# KiCad board mtt_final.kicad_pcb (continued)
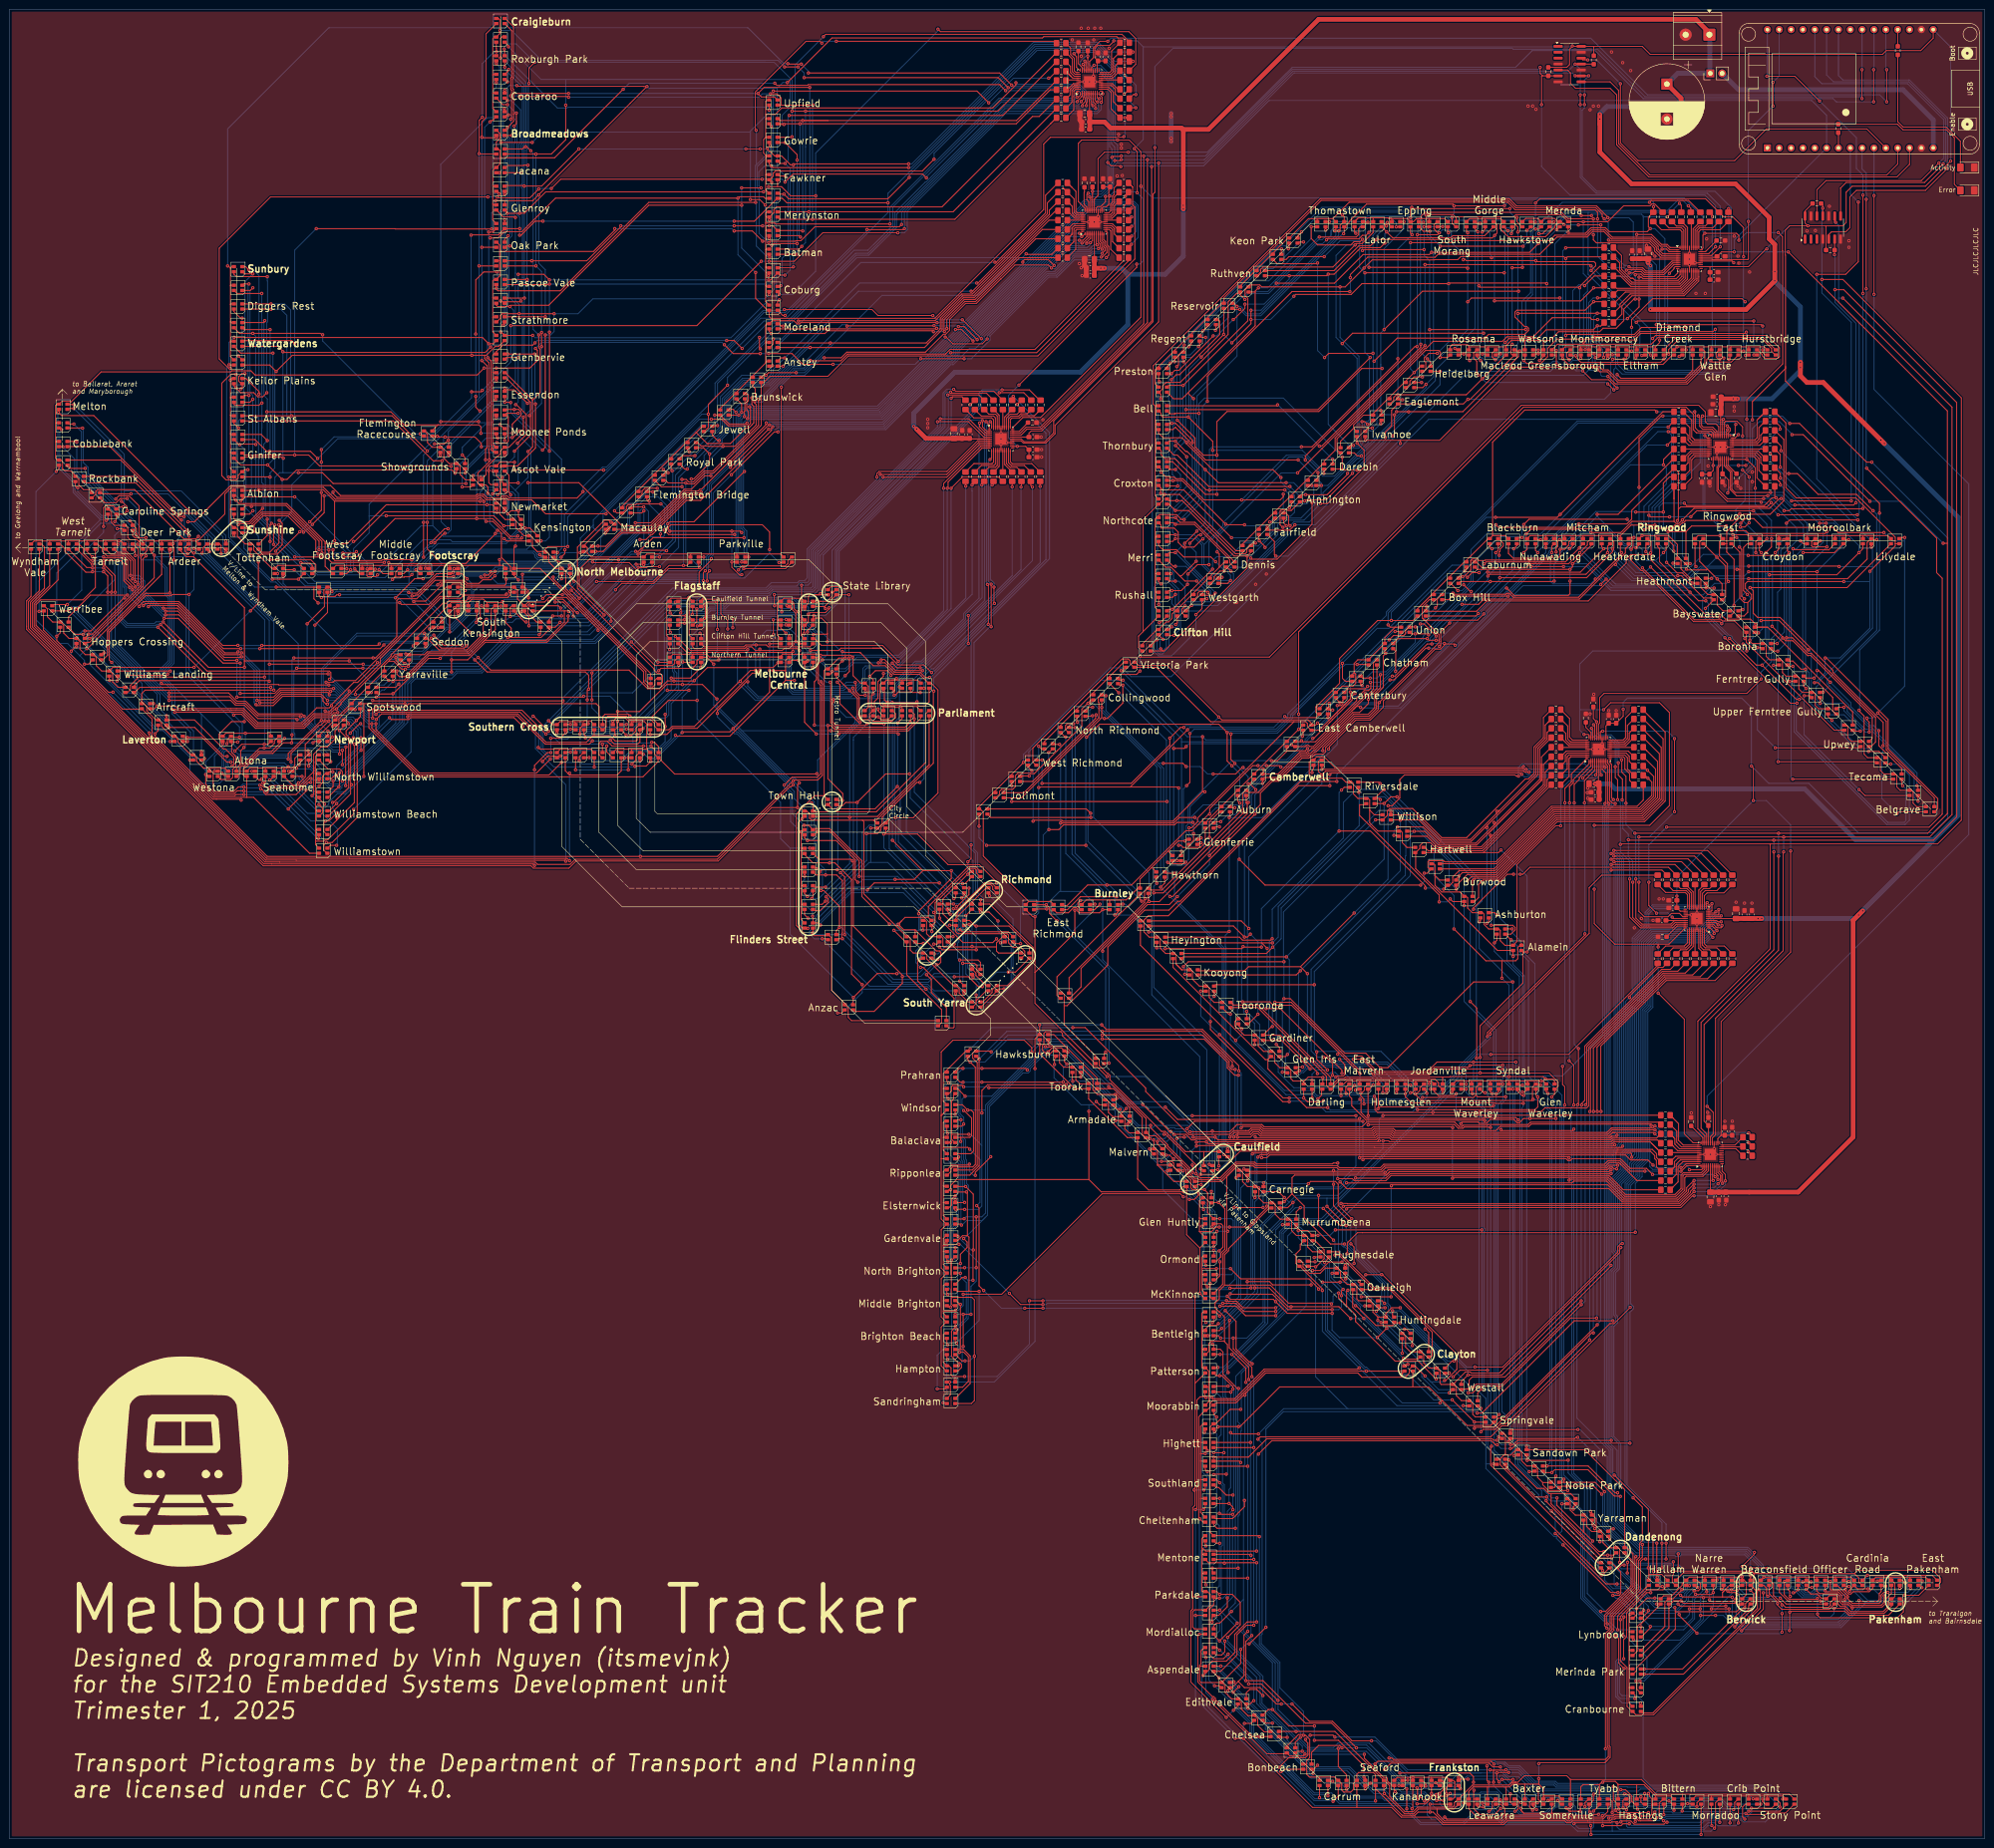
[diagram p0: board, top side]
## Routing (per net, layer and track width the routed paths; a pad name or vN(x,y) marks a point on that pad's centre or on a via; arc(x,y) is an arc through that point) (continued)
  Bottom w0.2: v1(335.81,318.16) 336.67,319.02 v1(336.67,332.71) ; 314.83,333.14 314.83,321.5 v1(311.83,318.5) 309.19,318.5 305.73,315.05 305.73,312.8 289.86,296.92 v1(289.86,296.64) 289.31,296.1 289.03,296.1 282.83,289.9 282.8,289.9 281.65,288.75 281.65,288.28 279.94,286.56 279.94,286.34 276.9,283.3 272.37,283.3 271.22,282.15 271.22,280.17 266.39,275.34 265.54,275.34 v1(265.37,275.17) ; 314.83,333.14 v1(315.07,333.14) ; 314.83,333.14 v1(314.83,344.72) ; v1(358,318) 357.45,317.45 v1(354.75,317.45) ; v1(267.8,332.71) 269.79,332.71 280.68,343.6 v1(280.84,343.6) ; v1(246.85,255.26) 246.71,255.39 246.71,260.74 v1(246.55,260.9) ; v1(253.89,308.94) 253.89,300.06 254.22,299.73 254.22,289.16 v1(249.99,284.93)
Net-(D289-BK): length 451.7
  Top w0.2: v1(309.5,267.2) 309.74,266.96 320.8,266.96 321,267.16 321.59,267.16 322.43,266.32 336.41,266.32 340.04,269.95 v1(340.04,270.24) 340.33,270.24 345.63,275.54 v1(345.63,275.89) 345.4,276.12 D319.2 ; D355.2 368.2,277.8 ; 368.2,277.8 368.2,280.4 369.2,281.4 369.2,281.6 371.73,284.13 377.53,284.13 380.44,287.04 380.44,300.18 R80.2 ; 368.2,277.8 368.2,276.02 369.77,274.45 v1(369.77,264.59) 369.77,263.06 369.01,262.3 ; v1(390.75,239.91) 389.9,240.76 D307.2 ; v1(401.7,234.46) 401.74,234.5 401.74,239.46 390.94,250.26 390.94,250.68 379.62,262 374.8,262 373.9,262.9 373.9,267.7 v1(373.2,268.4) 394,268.4 D349.2 ; D337.2 277.4,236.67 v1(277.22,236.49) ; v1(219.22,229.12) 218.4,229.93 D295.2 ; 255.82,224.64 v1(255.82,236.4) ; 255.82,224.64 256.25,224.64 v1(256.31,224.57) ; 255.82,224.64 249.47,218.28 225.84,218.28 225.64,218.49 219.69,218.49 v1(219.49,218.28) ; D325.2 321.4,275.72 322.42,274.7 325.5,274.7 325.5,274.7 325.65,274.7 325.65,274.71 327.15,274.71 327.15,274.7 330.28,274.7 330.58,275 v1(330.7,275) ; v1(253.89,215.64) 253.89,214.18 253.01,213.3 ; v1(366.61,262.09) 362.6,262.09 v1(351.87,272.82) ; v1(404.71,219.91) 405.1,220.3 D301.2 ; D289.2 238.68,250.58 v1(238.36,250.58) ; v1(297.1,258.98) 298.22,258.98
  Bottom w0.2: v1(253.89,215.64) 253.89,217.03 253.15,217.76 253.15,221.42 v1(256.31,224.57) ; v1(366.61,262.09) 367.27,262.09 v1(369.77,264.59) 369.77,264.98 373.19,268.4 v1(373.2,268.4) ; 401.46,232.95 401.74,233.23 401.74,234.41 v1(401.7,234.46) ; 401.46,232.95 401.46,223.16 v1(404.71,219.91) ; 401.46,232.95 399.81,232.95 398.91,233.85 396.81,233.85 v1(390.75,239.91) ; v1(345.63,275.89) 349.54,271.98 351.03,271.98 v1(351.87,272.82) ; v1(238.36,250.58) 252.53,236.4 v1(255.82,236.4) 256.5,235.72 276.2,235.72 276.97,236.49 v1(277.22,236.49) 277.22,239.26 294.84,256.88 294.84,257.09 296.73,258.98 v1(297.1,258.98) 305.32,267.2 v1(309.5,267.2) ; v1(330.7,275) 330.4,274.7 330.4,269.75 330.95,269.2 339.01,269.2 v1(340.04,270.24) ; v1(219.49,218.28) 219.49,228.85 v1(219.22,229.12)
Net-(D289-GK): length 435.8
  Top w0.2: D313.4 370.97,263.67 v1(371.65,263.67) ; v1(398.25,240.4) 398.25,240.02 398.74,239.53 v1(398.74,237.41) ; v1(347.7,276.6) 348.1,277 348.1,278.94 v1(348.3,279.14) 347.44,279.14 ; v1(372,265.99) 371.4,266.58 371.4,276.62 v1(370.93,277.09) ; 300.08,259.9 299.32,259.14 299.32,258.48 298.95,258.11 296.74,258.11 v1(295.82,257.2) ; v1(370.33,279.14) 369.44,279.14 ; D301.4 412.7,223.3 402.4,233.6 402.4,239.7 400.6,241.5 ; v1(346.84,283.06) 325.82,283.06 v1(324.69,281.93) ; D295.4 v1(221.4,231.4) ; 241.4,252.4 242.1,251.7 248.22,251.7 259.27,240.64 v1(259.3,240.64) 259.92,240.02 278.43,240.02 279.2,239.25 D337.4 280.04,238.9 v1(280.47,239.33) ; v1(255.5,214.7) 255.2,214.4 D343.4 ; v1(221.4,226.4) 240.53,226.4 248.8,234.67 v1(248.8,236.1) 251.1,238.4 v1(251.8,238.4) ; v1(301.44,259.96) 300.26,259.96 ; v1(371.2,282.2) 372.2,283.2 374,283.2 375.9,281.3 391,281.3 392.1,280.2 v1(401.9,280.2) ; v1(347.7,274.7) 347.7,274.2 349.88,272.02 350.16,272.02 361.1,261.08 366.7,261.08 v1(367.13,260.66) ; 379.06,303.55 R79.2 379.06,303.55 ; 379.06,303.55 379.63,302.98 v1(379.63,302.41) ; v1(393.33,242.72) 392.02,242.72 D307.4 ; v1(324.3,279.14) 323.44,279.14 ; v1(406.34,279.14) 405.44,279.14
  Bottom w0.2: 259.3,240.6 257.5,238.8 252.2,238.8 v1(251.8,238.4) ; v1(367.13,260.66) 370.14,263.67 v1(371.65,263.67) 372,264.01 v1(372,265.99) ; v1(393.33,242.72) 393.33,241.97 397.09,238.21 397.1,238.21 397.46,237.86 397.46,237.84 397.89,237.41 v1(398.74,237.41) ; v1(370.93,277.09) 371.01,277.18 371.01,278.46 v1(370.33,279.14) 370.15,279.32 370.15,282.1 ; v1(348.3,279.14) 348.3,281.61 v1(346.84,283.06) ; v1(280.47,239.33) 282.37,241.22 282.37,243.84 282.72,244.19 282.82,244.19 v1(295.82,257.2) ; v1(301.44,259.96) 302.71,259.96 309.35,266.6 310.92,266.6 313.81,269.49 313.81,273.58 319.54,279.31 324.13,279.31 v1(324.3,279.14) 324.3,281.54 v1(324.69,281.93) ; v1(371.2,282.2) 371.1,282.1 370.15,282.1 ; 406.34,278.4 403.7,278.4 v1(401.9,280.2) ; 406.34,278.4 v1(406.34,279.14) ; 406.34,278.4 406.34,247.25 v1(400.59,241.51) 399.49,240.4 v1(398.25,240.4) ; 370.15,282.1 370.15,285.1 372.13,287.08 372.13,292.57 374.35,294.79 374.35,297.13 v1(379.63,302.41) ; v1(248.8,236.1) 248.8,212.1 249.2,211.7 249.2,210.13 250.45,208.89 252.46,208.89 256.1,212.53 256.1,214.1 v1(255.5,214.7) ; v1(347.7,276.6) v1(347.7,274.7) ; v1(221.4,231.4) v1(221.4,226.4)
Net-(D289-RK): length 447.8
  Top w0.2: 287.5,244.5 286.3,243.3 286.3,243.28 285.62,242.6 285.6,242.6 ; 287.5,244.5 287.5,244.48 283.22,240.21 283.22,240.18 ; 287.5,244.5 v1(287.5,246) ; 275.42,239.62 277.93,239.62 278.3,239.25 278.3,238.6 279.1,237.8 ; 275.42,239.62 257.58,239.62 245.9,251.3 D289.1 ; 275.42,239.62 254.76,218.96 254.76,218.17 253.44,216.85 v1(252.91,216.85) ; v1(387,248) 387.78,248 390.92,244.86 390.92,241.96 391.79,241.08 ; v1(255.5,213.64) 255.04,213.64 D343.1 ; D313.1 371.9,262.3 372.7,263.1 372.7,265.2 ; 379.39,305.22 R78.2 379.39,305.22 ; 379.39,305.22 380.87,303.74 380.87,289.85 383.1,287.62 395.89,287.62 404.32,279.2 404.32,277.8 ; 372.7,265.2 373.5,266 373.5,266.9 372.2,268.2 372.2,269.25 372.65,269.7 v1(393.3,269.7) ; 372.7,265.2 371.94,265.2 371,266.13 371,272.3 ; 283.22,240.18 283.3,240.25 283.3,240.3 285.6,242.6 ; 283.22,240.18 282.95,239.9 282.93,239.9 280.83,237.8 D337.1 ; 404.32,277.8 D349.1 ; 404.32,277.8 404.32,277.32 v1(398.9,271.9) ; 285.6,242.6 285.7,242.7 ; v1(389.3,253.3) 389.58,253.3 402.8,240.08 402.8,233.77 413.45,223.12 413.45,220.98 412.77,220.3 ; v1(322.53,276.73) 323.2,277.39 D325.1 ; v1(370.4,272.3) 371,272.3 ; 371,272.3 371,276 D355.1 ; 344.18,273.52 346.47,275.82 346.47,276.73 347.2,277.45 D319.1 ; 344.18,273.52 336.58,265.92 v1(316.12,265.92) 315.01,264.81 v1(311.45,264.81) ; 344.18,273.52 v1(344.35,273.35) ; D331.1 300.53,258.47 v1(301.42,258.47) 304.07,258.47 v1(304.28,258.27) ; 220.09,230.3 219.43,230.96 219.43,233.97 238.55,253.08 239.91,253.08 240.3,252.69 240.3,252.1 241.1,251.3
  Bottom w0.2: v1(311.45,264.81) 310.82,264.81 v1(304.28,258.27) ; v1(255.5,213.64) 254.98,213.64 252.91,215.7 v1(252.91,216.85) ; v1(387,248) 387.18,248.18 387.38,248.18 389.3,250.11 v1(389.3,253.3) 392.49,253.3 398.91,259.71 398.91,269.8 ; v1(398.9,271.9) 398.91,271.89 398.91,269.8 ; 398.91,269.8 398.81,269.7 v1(393.3,269.7) ; v1(322.53,276.73) 322.53,272.34 v1(316.12,265.92) ; v1(301.42,258.47) 301.42,256.63 295.11,250.32 292.22,250.32 290,248.1 288.31,248.1 287.5,247.29 v1(287.5,246) ; v1(370.4,272.3) 370.14,272.56 362.73,272.56 360.06,269.9 347.8,269.9 v1(344.35,273.35)
Net-(D290-BK): length 410.5
  Top w0.2: D344.2 249.4,209.15 ; 249.4,209.15 251.87,209.15 v1(252.21,209.49) ; 249.4,209.15 248.65,209.15 v1(248.35,209.45) ; 378.01,296.6 377.53,297.08 v1(377.53,297.12) ; D296.2 v1(214.9,225.9) ; v1(384.8,245.19) 386.01,245.19 D308.2 ; v1(361.6,272.9) 361.4,273.1 D356.2 ; v1(396.56,225.06) 397.82,223.8 D302.2 ; v1(237.85,245.83) 235.9,247.79 ; 249.78,209.57 249.78,210.07 249.51,209.8 ; D320.2 341.4,277.15 v1(341.83,276.73) 336.8,271.7 v1(316.93,271.7) ; v1(368.8,257.5) 374.54,251.77 v1(375.78,251.77) 383.12,244.42 v1(383.75,244.42) ; D332.2 294.9,254.5 v1(295.1,254.3) 294.56,253.76 294.56,246.99 293.12,245.56 293.12,242.46 291.47,240.8 288.37,240.8 281.6,234.03 v1(281.6,233.4) ; v1(278.31,233.88) 278.31,233.85 277.86,233.4 273.9,233.4 ; v1(214.9,222.5) v1(248.2,222.5) ; D326.2 317.4,277.2 v1(317.87,276.73) ; 273.9,233.4 D338.2 ; 273.9,233.4 273.9,233.3 273.82,233.21 271.86,231.26 v1(270.57,231.26) ; D350.2 397.4,276.74 v1(396.56,275.89) 391.8,271.14 v1(377.35,271.14) ; v1(357.7,270.94) 358.46,270.94 363.23,266.17 365.03,266.17 D314.2 ; v1(363.62,263.93) 365.4,265.71
  Bottom w0.2: v1(317.87,276.73) 317.87,272.64 v1(316.93,271.7) 316.59,271.7 311.04,266.15 310.75,266.15 303.67,259.07 299.87,259.07 v1(295.1,254.3) ; v1(252.21,209.49) 252.83,210.1 252.83,215.22 252.31,215.74 252.31,217.26 252.75,217.7 252.75,221.89 262.12,231.26 v1(270.57,231.26) ; v1(377.53,297.12) 377.53,295.5 389.7,283.33 390.61,283.33 396.56,277.38 v1(396.56,275.89) ; 384.8,244.42 384.8,236.82 v1(396.56,225.06) ; 384.8,244.42 v1(383.75,244.42) ; 384.8,244.42 v1(384.8,245.19) ; v1(278.31,233.88) 278.31,233.83 278.73,233.4 v1(281.6,233.4) ; v1(368.8,257.5) 363.62,262.68 v1(363.62,263.93) ; v1(377.35,271.14) 377.3,271.14 377.2,271.04 377.2,253.18 v1(375.78,251.77) ; v1(341.83,276.73) 342.68,276.73 348.46,270.94 v1(357.7,270.94) 359.64,270.94 v1(361.6,272.9) ; v1(248.35,209.45) 248.07,209.73 248.07,235.65 237.89,245.83 v1(237.85,245.83) ; v1(214.9,225.9) v1(214.9,222.5)
Net-(D290-GK): length 391.1
  Top w0.2: v1(319.4,275.32) 319.4,276.02 319.48,276.11 319.6,276.22 319.6,276.23 319.6,276.39 319.6,276.63 320.28,277.31 320.28,277.9 319.28,278.9 ; 364.06,272.35 v1(366.15,270.25) 367.2,269.2 D314.4 ; 364.06,272.35 363.89,272.18 359.74,272.18 v1(359.55,272.37) ; 364.06,272.35 362.4,274 362.4,278.2 363.1,278.9 ; v1(408.99,225.9) 409.2,225.69 D302.4 ; v1(319.55,270.51) 338.15,270.51 343.73,276.09 v1(343.73,276.64) 344,276.91 344,278.18 343.28,278.9 ; v1(388.88,245.98) 388.8,245.9 D308.4 ; v1(400.35,278.68) 399.42,278.68 ; v1(372.9,270.3) 394.1,270.3 398.3,274.5 398.3,278.07 399.13,278.9 ; v1(399.58,284.89) 399.51,284.89 396,288.4 387.8,288.4 383.36,292.84 v1(381.48,292.84) ; v1(291.8,248.1) 291.9,248 291.9,246.8 291.4,246.3 290.47,246.3 288.87,244.7 288.87,244.13 280.05,235.32 277.27,235.32 v1(277.02,235.57) 277.02,235.47 276.87,235.32 275.78,235.32 ; D290.4 238.06,248.54 v1(238.75,248.54) ; R82.2 379.68,296.93 v1(379.68,294.23) ; v1(251.31,211.82) 251.31,211.01 ; 216.78,227.98 v1(218.65,227.98) ; v1(305.89,257.11) 305.89,257.11 305.87,257.1 304.35,257.1 v1(304,257.45) 297.75,257.45 D332.4
  Bottom w0.2: v1(343.73,276.64) 348.79,271.58 358.76,271.58 v1(359.55,272.37) ; v1(277.02,235.57) 277.02,235.47 276.87,235.32 251.31,235.32 ; 390.18,247.38 394.43,243.12 394.43,242.67 398.69,238.41 399.21,238.41 408.99,228.63 v1(408.99,225.9) ; 390.18,247.38 389.75,247.81 389.75,248.61 400.35,259.21 v1(400.35,278.68) 400.35,284.12 v1(399.58,284.89) ; 390.18,247.38 390.18,247.28 v1(388.88,245.98) ; v1(381.48,292.84) 381.06,292.84 v1(379.68,294.23) ; 251.31,235.32 v1(251.31,211.82) ; 251.31,235.32 251.31,235.98 v1(238.75,248.54) 233.95,248.54 218.57,233.17 218.57,228.06 v1(218.65,227.98) ; v1(305.89,257.11) 306.51,257.11 315.52,266.12 315.52,266.17 315.87,266.52 315.92,266.52 319.55,270.15 v1(319.55,270.51) 319.55,273.74 319.4,273.89 v1(319.4,275.32) ; v1(304,257.45) 303.38,257.45 294.02,248.1 v1(291.8,248.1) ; v1(366.15,270.25) 366.2,270.3 v1(372.9,270.3)
Net-(D290-RK): length 392.3
  Top w0.2: D356.1 v1(366.08,274.92) 367.96,273.04 367.96,266.43 367.33,265.8 ; v1(233,241.1) 232.9,241 232.9,240.34 232.78,240.22 219.36,226.8 D296.1 ; D290.1 238.04,247.46 v1(238.72,247.46) 238.72,243.62 235.42,240.32 v1(234.78,240.32) ; v1(409.23,222.56) 409.2,222.59 D302.1 ; D320.1 342.66,277.26 v1(342.66,275.89) 338.02,271.25 317.35,271.25 316.97,270.87 ; v1(399.2,277.1) D350.1 ; v1(252.3,234.3) 251.9,233.9 v1(249.63,233.9) ; D326.1 319.2,276.39 v1(318.7,275.89) ; v1(297.2,250.43) 297.2,252.28 297.24,252.32 297.24,254.76 D332.1 ; 379.16,299.45 379.83,298.78 v1(379.83,297.75) ; 379.16,299.45 R81.2 379.16,299.45 ; D308.1 388.2,243.61 v1(388.25,243.56) ; v1(274.9,234.7) 275.3,234.3 D338.1 277.8,234.3 278.04,234.53 278.58,234.53 278.81,234.3 279.6,234.3 290.69,245.39 v1(290.69,245.67) ; v1(250.38,209.82) 251.18,209.82 ; v1(372.9,273) 392.2,273 v1(392.3,272.9)
  Bottom w0.2: v1(379.83,297.75) 399.2,278.38 v1(399.2,277.1) 399.45,276.85 399.45,272.9 ; 364.13,272.97 372.87,272.97 v1(372.9,273) ; 364.13,272.97 362.57,272.97 359.9,270.3 348.25,270.3 v1(342.66,275.89) ; 364.13,272.97 v1(366.08,274.92) ; v1(318.7,275.89) 318.7,272.58 v1(316.99,270.87) 316.99,270.09 312.05,265.15 312.05,264.56 308.89,261.4 308.45,261.4 304.6,257.55 304.6,257.21 304.25,256.85 303.75,256.85 297.33,250.43 v1(297.2,250.43) 297.2,248.7 294.06,245.56 290.8,245.56 v1(290.69,245.67) ; 399.45,272.9 399.45,259.69 388.08,248.32 388.08,247.78 387.39,247.09 387.39,244.42 v1(388.25,243.56) 393.34,243.56 394.03,242.87 394.03,241.83 397.26,238.61 397.27,238.61 397.86,238.02 397.86,238.01 398.99,238.01 408.39,228.61 408.39,223.4 v1(409.23,222.56) ; 399.45,272.9 v1(392.3,272.9) ; v1(250.38,209.82) 250.08,209.82 249.63,210.27 v1(249.63,233.9) 249.63,236.56 v1(238.72,247.46) ; v1(234.78,240.32) 233.78,240.32 v1(233,241.1) ; v1(274.9,234.7) 274.68,234.92 252.92,234.92 v1(252.3,234.3)
Net-(D291-BK): length 471.5
  Top w0.2: 259.27,146.17 259.27,144.39 v1(259.33,144.33) ; v1(264.7,220.2) 247.4,202.9 v1(245.36,202.9) ; v1(312.03,271.93) 312.4,272.3 D327.2 ; v1(316.2,273.5) 316.6,273.9 325.83,273.9 325.83,273.9 325.98,273.9 325.98,273.9 326.82,273.9 326.82,273.9 332.78,273.9 332.78,273.9 333.6,273.9 v1(336.6,276.9) 336.6,277 D321.2 ; v1(246.01,204.96) 245.9,205.07 D345.2 ; v1(381.73,248.27) 381.76,248.3 D309.2 ; 211.51,223.3 212.28,224.07 212.28,224.67 212.74,225.12 215.12,225.12 215.67,225.67 215.67,228.03 216.22,228.58 218.9,228.58 219.01,228.47 219.73,228.47 224.64,233.38 224.64,233.39 229.94,238.69 229.94,242.34 231.9,244.3 D291.2 231.67,243.57 v1(231.26,243.57) ; 291.3,251.9 v1(288.96,251.9) ; v1(315.1,271.6) 313.6,271.6 v1(312.6,270.6) ; v1(382.42,276.73) 382.6,276.54 389.28,276.54 389.34,276.48 390.08,276.48 D351.2 ; 378.49,289.62 378.49,287.93 v1(378.78,287.65) 377.93,287.65 376.28,286 359.6,286 v1(359.1,286.5) ; v1(382.34,227.3) D303.2 ; D315.2 361.3,269.3 361.25,269.35 v1(360.9,269.35) 360.65,269.6 360.63,269.6 358.69,271.54 357.56,271.54 v1(355.3,273.8) ; D339.2 265.9,226.3 v1(265.6,226.3) 265.98,226.3 v1(267.22,225.05) ; v1(261.9,237) 261.9,231.51 v1(262.75,230.66)
  Bottom w0.2: v1(336.6,276.9) 344.36,269.14 360.54,269.14 360.75,269.35 v1(360.9,269.35) ; v1(265.6,226.3) 265.6,227.81 v1(262.75,230.66) ; v1(355.3,273.8) 355.3,276.08 353.7,277.68 353.7,285.75 354.45,286.5 v1(359.1,286.5) ; v1(382.34,227.3) 382.02,227.62 382.02,247.97 v1(381.73,248.27) 381.36,248.63 381.36,257.12 381.62,257.38 381.62,274.54 382.42,275.34 v1(382.42,276.73) 383.17,276.73 384.63,278.19 384.63,281.79 v1(378.78,287.65) ; v1(231.26,243.57) 232.38,243.57 246.01,229.95 v1(246.01,204.96) 245.36,204.32 v1(245.36,202.9) 245.36,182.62 259.44,168.54 259.44,150.86 259.22,150.64 259.22,144.44 v1(259.33,144.33) ; v1(261.9,237) 262.1,237.2 271.88,237.2 275.13,240.44 275.13,240.91 285.77,251.56 286.06,251.56 286.41,251.91 287.49,251.91 287.5,251.9 287.5,251.9 v1(288.96,251.9) 308.98,271.93 v1(312.03,271.93) 312.03,271.17 v1(312.6,270.6) ; v1(315.1,271.6) 316.2,272.7 v1(316.2,273.5) ; v1(267.22,225.05) 267.22,224.82 266.3,223.9 266.3,221.8 v1(264.7,220.2)
Net-(D291-GK): length 450.8
  Top w0.2: v1(341.21,269.07) 341.21,269.11 342.31,270.21 v1(342.36,270.21) ; v1(394.36,278.68) 393.42,278.68 ; v1(336.69,275.88) 336.68,275.89 ; 336.68,275.89 334.29,273.5 333.45,273.5 333.45,273.5 332.95,273.5 332.95,273.5 326.65,273.5 326.65,273.5 326.15,273.5 326.15,273.5 326,273.5 325.2,272.7 315.7,272.7 314.5,273.9 ; 336.68,275.89 338.32,277.53 338.32,278.13 339.09,278.9 ; v1(364.95,270.37) 363.73,270.37 ; v1(258.1,228.4) 262.9,228.4 264.3,229.8 v1(264.5,229.8) ; 233.7,245 233.9,245.2 v1(235.1,245.2) ; 233.7,245 233.6,244.9 233.6,244.87 233.45,244.72 233.45,243.88 233.6,243.73 233.6,242.95 233.6,242.95 233.6,242.45 233.6,242.45 233.6,240.47 217.53,224.4 D297.4 ; 233.7,245 234.1,245.4 ; 387.6,250.6 387.9,250.6 v1(390.4,248.1) ; 287.73,241.87 288.77,242.9 289.5,242.9 v1(289.7,242.7) ; 287.73,241.87 279.76,233.9 279.2,233.9 278.55,233.25 278.35,233.25 278.1,233 276.6,233 272,228.4 D339.4 ; 287.73,241.87 288.23,242.37 ; D303.4 405.7,229.6 400.8,234.5 v1(400.8,237.7) ; v1(268.8,229.5) 268.8,228.5 ; D345.4 247.98,207.12 v1(249.83,207.12) ; 293.13,252.9 292.45,252.22 292.45,246.58 288.23,242.37 ; v1(386.93,248.98) 385.12,248.98 D309.4 ; v1(389.5,282.2) v1(388.1,282.2) ; 288.23,242.37 288.57,242.7 ; 379.43,291.18 R85.2 379.43,291.18 ; 379.43,291.18 379.7,290.91 v1(379.7,290.4) ; v1(387.58,271.8) v1(372.9,271.8) ; v1(252.3,230) 251.6,230.7 v1(247.4,230.7) ; D429.4 v1(261.2,148)
  Bottom w0.2: 246.34,230.74 235.09,241.99 235.1,242 v1(235.1,245.2) ; 246.34,230.74 247.36,230.74 v1(247.4,230.7) ; 246.34,230.74 247.47,229.62 247.47,208.55 248.9,207.12 v1(249.83,207.12) 249.8,207.09 249.8,201.74 260.46,191.08 260.46,149.14 261.2,148.4 v1(261.2,148) ; v1(252.3,230) 255.3,230 256.9,228.4 v1(258.1,228.4) ; v1(372.9,271.8) 372,270.9 365.48,270.9 v1(364.95,270.37) 363.32,268.74 343.82,268.74 v1(342.36,270.21) v1(336.69,275.88) ; v1(289.7,242.7) 289.82,242.58 298.28,242.58 324.5,268.8 341.1,268.8 341.21,268.91 v1(341.21,269.07) ; v1(388.1,282.2) 387.9,282.2 v1(379.7,290.4) ; v1(400.8,237.7) 399.69,238.81 398.86,238.81 394.84,242.83 394.84,243.66 v1(390.4,248.1) ; v1(394.36,278.68) 392.29,276.61 ; 392.29,276.61 387.58,271.89 v1(387.58,271.8) v1(387.58,250.6) 387.58,249.63 v1(386.93,248.98) ; 392.29,276.61 392.4,276.72 392.4,280.97 391.17,282.2 v1(389.5,282.2) ; v1(268.8,229.5) 264.8,229.5 v1(264.5,229.8)
Net-(D291-RK): length 487.4
  Top w0.2: v1(384.58,275.89) 391.29,275.89 D351.1 ; D291.1 v1(234.2,242.7) 234.2,240.48 217.02,223.3 D297.1 ; v1(334.6,269.8) 334.6,267.1 334.22,266.72 322.59,266.72 321.02,268.3 v1(321,268.3) ; v1(379.71,291.88) 379.71,292.9 R84.2 ; v1(383.27,243.6) 381.85,243.6 v1(367.81,257.64) ; D333.1 293.2,246.77 291.47,245.03 291.47,244.55 v1(291.37,244.45) 291.37,243.52 289.45,241.6 288.03,241.6 279.93,233.5 279.64,233.5 279,232.85 278.52,232.85 278.27,232.6 276.77,232.6 271.82,227.65 269.05,227.65 D339.1 v1(268.7,226.4) ; v1(246.84,204.13) 247.7,204.99 D345.1 ; v1(405.94,225.87) 405.7,226.1 D303.1 ; 314.4,272.6 314.7,272.3 334.6,272.3 v1(334.6,272.3) 335.14,272.84 v1(335.14,273.5) 335.25,273.61 335.29,273.61 339.2,277.53 D321.1 ; 261.09,146.3 260.64,146.75 v1(260.41,146.75) ; D309.1 384.7,247.27 v1(385.23,246.74) ; v1(365.5,268.3) 363.8,268.3 v1(363.76,268.34) 363.76,268.61 363.7,268.68 D315.1 ; v1(267.05,219.81) 266.7,219.46 266.7,219.45 249.35,202.1 248.9,202.1
  Bottom w0.2: v1(334.6,272.3) v1(334.6,269.8) ; v1(367.81,257.64) 367.76,257.64 363.02,262.38 363.02,265.82 v1(365.5,268.3) ; v1(363.76,268.34) 360.1,268.34 360.1,268.33 343.36,268.33 338.2,273.5 v1(335.14,273.5) ; v1(379.71,291.88) 388.88,282.71 388.88,278.14 386.62,275.89 v1(384.58,275.89) 384.49,275.81 384.49,247.48 v1(385.23,246.74) 385.17,246.74 383.11,244.69 383.11,243.6 ; 383.11,243.6 383.11,237.63 402.72,218.02 406.25,218.02 406.61,218.39 406.61,225.19 v1(405.94,225.87) ; 383.11,243.6 v1(383.27,243.6) ; v1(291.37,244.45) 291.37,244.47 291.55,244.65 297.32,244.65 314.88,262.22 315.16,262.22 315.52,262.58 315.52,263.15 320.67,268.3 v1(321,268.3) ; v1(267.05,219.81) 267.05,223.95 268.7,225.6 v1(268.7,226.4) ; v1(234.2,242.7) 234.2,242.32 246.84,229.68 v1(246.84,204.13) v1(248.84,202.14) 260.06,190.91 260.06,147.09 v1(260.41,146.75)
Net-(D292-BK): length 428.5
  Top w0.2: v1(262.13,230.15) 261.09,231.19 261.09,237.31 259.3,239.1 233.74,239.1 v1(230.94,236.31) ; v1(332.36,278.7) 333.26,277.8 ; v1(356.67,273.62) 357.58,273.62 ; 357.83,285.19 357.83,293.19 357.1,293.91 ; 357.83,285.19 357.83,282.98 v1(357.62,282.77) ; 357.83,285.19 358.33,285.7 376.83,285.7 v1(377.75,286.63) ; v1(379.2,231.04) 400.16,231.04 ; v1(209.5,213.1) v1(230.8,213.1) ; D298.2 v1(207.9,217.2) ; 225.28,180.3 224.61,180.97 224.61,184.89 242.4,202.68 ; D340.2 263.4,222.56 v1(263.8,222.16) ; v1(384.02,278.42) 384.64,277.8 D352.2 ; v1(229.01,239.48) 228.9,239.59 D292.2 ; v1(310.55,267.76) 309.01,269.3 ; v1(378.22,251.72) 379.32,251.72 ; v1(318.7,281.87) 319.27,281.31 335.76,281.31 v1(336.5,282.05) 346.78,282.05 347.82,283.09 347.82,284.94 356.79,293.91 ; v1(242.77,201.13) 242.4,201.5 D346.2 ; D334.2 286.45,248.3 285.81,248.94 v1(285.81,252.16)
  Bottom w0.2: v1(261.1,237.3) 261.4,237.6 271.72,237.6 274.72,240.61 274.72,241.08 v1(285.81,252.16) 285.81,252.21 293.27,259.67 295.77,259.67 309.3,273.2 313.36,273.2 ; v1(262.13,230.15) 263.8,228.48 v1(263.8,222.16) ; v1(230.94,236.31) 230.79,236.31 ; 230.79,236.31 230.79,213.11 v1(242.77,201.13) ; 230.79,236.31 230.79,237.7 v1(229.01,239.48) ; v1(332.36,278.7) 335.7,282.05 v1(336.5,282.05) ; v1(377.75,286.63) 383.19,281.18 383.19,278.42 ; v1(209.5,213.1) 207.9,214.7 v1(207.9,217.2) ; v1(310.55,267.76) 311.48,267.76 313.36,269.63 313.36,276.53 v1(318.7,281.87) ; v1(357.62,282.77) 357.62,281.47 357.07,280.92 357.07,277.56 357.48,277.15 357.48,274.44 v1(356.67,273.62) ; 383.19,278.42 380.54,275.76 380.54,258.86 378.31,256.63 378.31,251.8 v1(378.22,251.72) 379.23,250.71 379.23,231.68 379.2,231.65 v1(379.2,231.04) ; 383.19,278.42 v1(384.02,278.42)
Net-(D292-GK): length 392.9
  Top w0.2: v1(311.8,269) 313.24,267.56 v1(313.4,267.56) ; D316.4 359.45,280.4 ; 359.45,280.4 v1(355.6,280.4) ; 359.45,280.4 360.65,281.6 v1(368.1,281.6) ; D298.4 230.9,220.9 v1(231.83,219.98) ; v1(389.68,277.11) 389.66,277.13 386.64,277.13 386.4,277.37 386.4,278.21 387.09,278.9 ; 244.1,203.9 243.37,203.17 243.37,201.64 ; R88.2 355.91,292.12 354.64,290.85 354.6,290.81 v1(354.6,284.6) v1(348.7,284.6) ; v1(389.68,280.4) 389.28,280 372.87,280 372.27,280.6 369.3,280.6 v1(369.3,280.6) ; 243.37,201.64 v1(243.54,201.64) ; 243.37,201.64 243.37,200.88 227.2,184.7 D430.4 ; D310.4 381.46,252.64 382.37,252.64 384.12,250.89 v1(385.09,250.89) ; D340.4 265.65,224.45 267.8,224.45 270.6,227.25 271.99,227.25 276.93,232.2 278.43,232.2 278.69,232.45 279.17,232.45 279.81,233.09 279.81,233.09 280.09,233.09 288.2,241.2 291.3,241.2 292.72,242.62 292.72,245.72 293.95,246.95 v1(293.95,249.72) ; 335.09,278.9 334.32,278.13 334.32,277.5 333.44,276.62 v1(332.48,276.62) 332.48,275.18 331.6,274.3 326.98,274.3 326.98,274.3 325.82,274.3 325.82,274.3 325.67,274.3 325.67,274.3 316.43,274.3 316.33,274.2 314.95,274.2 314.95,274.32 314.72,274.55 313.68,274.55 313.45,274.32 313.45,274.2 313.34,274.2 313.32,274.22 313.32,272.19 311.88,270.75 v1(311.6,270.75) 311.05,270.75 D328.4 ; D346.4 244.6,203.5 247.08,203.5 264.41,220.83 264.41,224.2 265.1,224.9 ; D292.4 231.53,242.73 v1(232.26,242.73) ; v1(398.6,233.24) 400.86,233.24 D304.4 ; D334.4 290.12,248.98 v1(291.75,248.98)
  Bottom w0.2: v1(311.8,269) 311.8,270.55 v1(311.6,270.75) ; v1(232.26,242.73) 231.62,242.09 231.62,220.18 v1(231.83,219.98) 231.25,219.4 231.25,213.92 v1(243.54,201.64) ; v1(368.1,281.6) 368.3,281.6 v1(369.3,280.6) ; v1(354.6,284.6) 354.6,281.4 v1(355.6,280.4) ; v1(332.48,276.62) 332.48,277.06 340.13,284.72 348.58,284.72 v1(348.7,284.6) ; v1(313.4,267.56) 313.4,267.07 311.75,265.41 310.86,265.41 304.31,258.87 304.03,258.87 303.13,257.97 303.13,257.77 295.08,249.72 v1(293.95,249.72) 293.22,248.98 v1(291.75,248.98) ; v1(389.68,280.4) v1(389.68,277.11) 385.09,272.52 v1(385.09,250.89) 385.83,250.16 385.83,243.95 396.54,233.24 v1(398.6,233.24)
Net-(D292-RK): length 421.1
  Top w0.2: D292.1 232.12,240.8 v1(232.22,240.9) ; 265.2,222.3 265.21,222.31 v1(265.62,222.31) 265.62,222.24 265.4,222.01 ; 265.2,222.3 D340.1 ; 265.2,222.3 265.2,222.21 265.4,222.01 ; v1(379.89,287.49) 379.82,287.42 379.4,287.42 377.38,285.4 361.18,285.4 v1(358.69,282.91) 357.92,282.14 357.36,282.14 356.9,282.6 ; v1(331.2,269.8) 331.1,269.7 311.1,269.7 D328.1 ; D322.1 335.2,277.43 v1(334.5,276.73) ; v1(306.6,255.8) 306.9,256.1 306.9,256.9 306.9,256.9 306.9,258.9 v1(308.8,260.8) ; D352.1 387.65,277.8 v1(388.27,278.42) ; 356.89,287.51 R87.2 356.89,287.51 ; 356.89,287.51 356.9,287.5 356.9,282.6 ; 265.4,222.01 265.4,219.9 246.55,201.05 v1(244.37,201.05) ; v1(360.33,273.53) 359.47,273.53 ; v1(296,248.6) 296.87,248.6 303.67,255.4 v1(304.3,255.4) ; 227.33,180.3 229.77,182.74 229.77,186.7 244.12,201.05 v1(244.37,201.05) ; 356.9,282.6 347.9,282.6 345.5,280.2 339.1,280.2 v1(339.07,280.23) ; D310.1 381.49,251.51 v1(382.37,251.51) ; v1(279.46,236.04) 279.52,236.1 279.7,236.1 283.1,239.5 283.12,239.5 283.7,240.08 283.7,240.1 287.9,244.3 287.9,245.1 v1(288.5,245.7) ; v1(244.37,201.05) 244.2,201.22 D346.1 ; v1(403.35,230.55) 402.45,230.55 ; D334.1 289.7,247.7 v1(290,247.4) ; v1(231.87,219.08) 210.42,219.08 D298.1
  Bottom w0.2: v1(360.33,273.53) 358.7,275.17 358.7,282.9 v1(358.69,282.91) ; 385.52,278.42 v1(388.27,278.42) ; 385.52,278.42 385.52,277.73 382.02,274.24 382.02,257.21 381.76,256.95 381.76,252.12 v1(382.37,251.51) 382.67,251.21 382.67,237.44 402.52,217.59 406.45,217.59 407.36,218.5 407.36,228.16 405.02,230.5 403.4,230.5 v1(403.35,230.55) ; 385.52,278.42 385.52,281.82 385.5,281.84 385.5,282.2 385.4,282.2 380.11,287.49 v1(379.89,287.49) ; 291.2,246.6 289.4,246.6 v1(288.5,245.7) ; 291.2,246.6 294,246.6 v1(296,248.6) ; 291.2,246.6 290.8,246.6 v1(290,247.4) ; v1(265.62,222.31) 265.9,222.58 265.9,224.58 271.99,230.67 274.19,230.67 279.46,235.93 v1(279.46,236.04) ; v1(331.2,269.8) 331.2,273.43 v1(334.5,276.73) 334.5,277.22 337.52,280.23 v1(339.07,280.23) ; v1(306.6,255.8) 306.2,255.4 v1(304.3,255.4) ; 232.45,219.08 244.37,207.17 v1(244.37,201.05) ; 232.45,219.08 v1(231.87,219.08) ; 232.45,219.08 232.45,239.82 232.22,240.05 v1(232.22,240.9) ; v1(317.5,269.7) 317.5,269.45 308.85,260.8 v1(308.8,260.8)
